# KiCad board mk_keeb.kicad_pcb (continued)
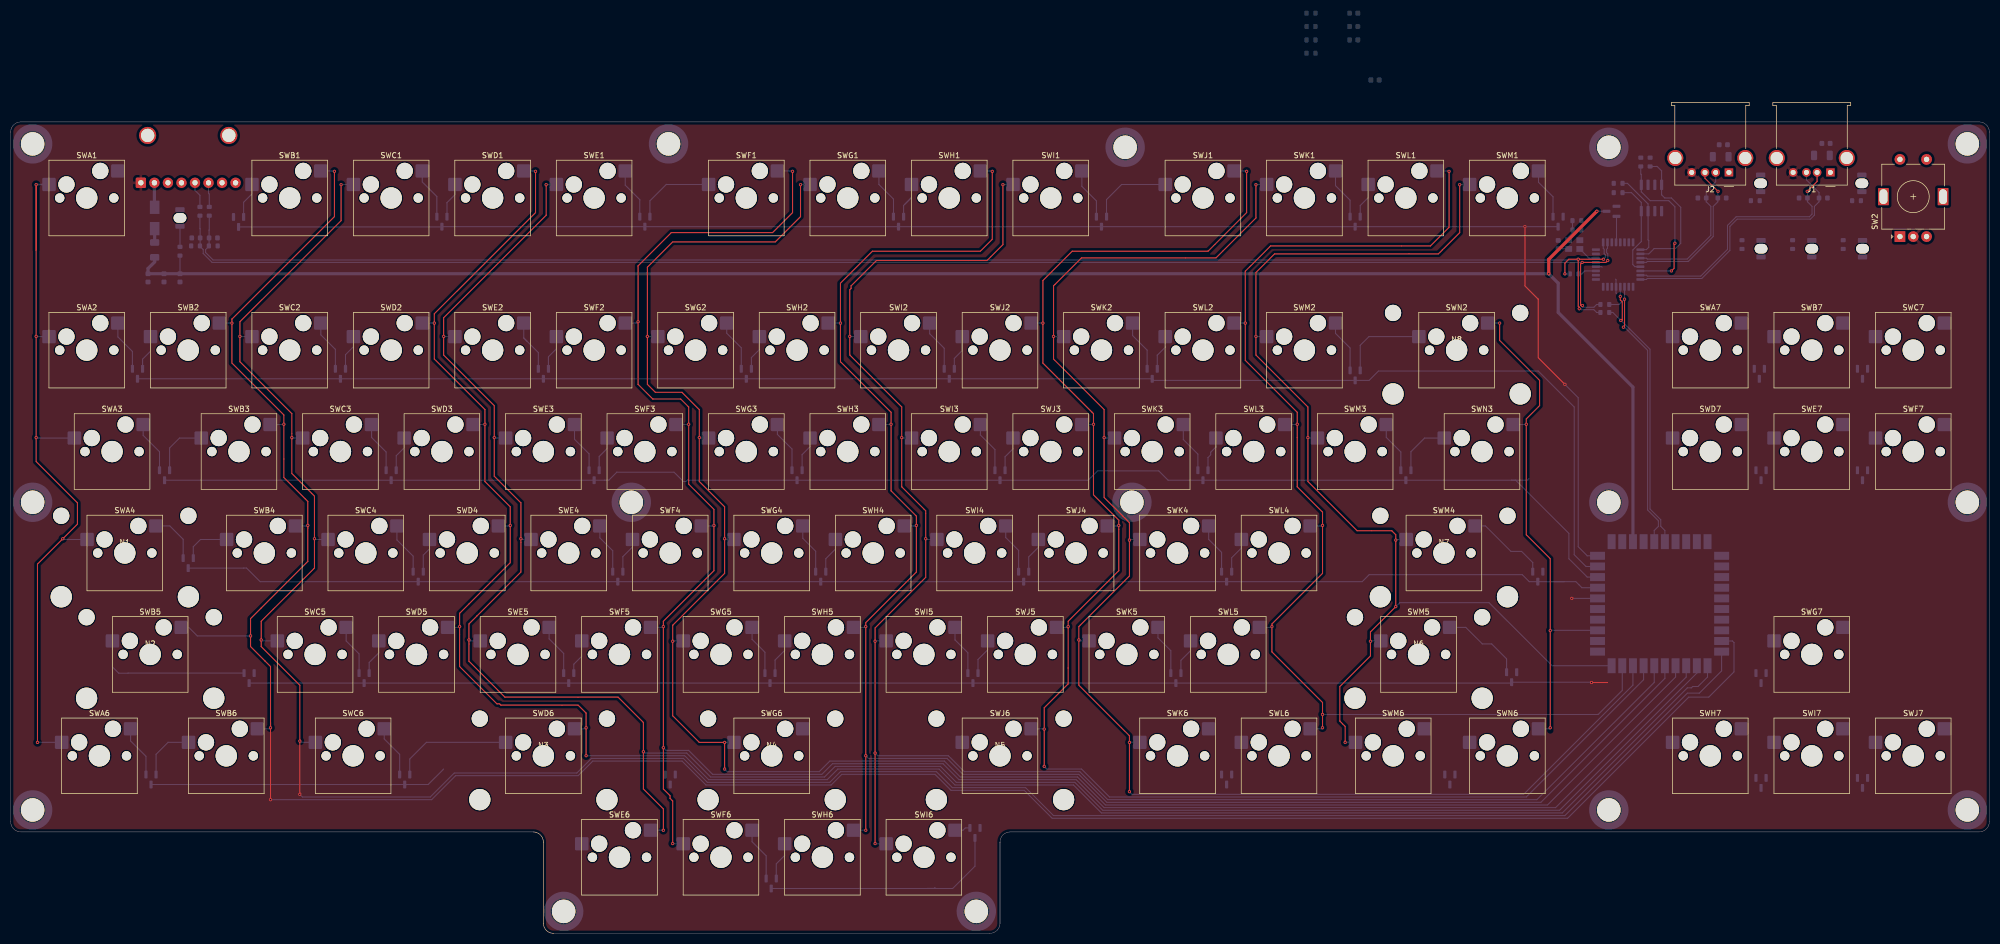
[diagram p0: board, top side]
## Footprints (pads in the part's own frame, mm; a bottom-side part is the same pattern mirrored in y, then rotated) (continued)
SW_Hotswap_Kailh_MX_2.75u
  round 1.75 hole 1.75 unplated: (-5.08,0) (5.08,0)
  round 3.05 hole 3.05 unplated: (-3.81,2.54) (2.54,5.08)
  round 4 hole 4 unplated: (0,0)
  rrect 2.55x2.5 smd far side: 1(-7.085,2.54) 2(5.842,5.08)
USB_A_Molex_67643_Horizontal
  rect 1.6x1.5 hole 0.95: 1(0,0)
  round 1.6 hole 0.95: 2(2.5,0) 3(4.5,0) 4(7,0)
  round 3 hole 2.3: 5(-3.07,-2.71) 5(10.07,-2.71)

## Nets
+3V3: C9.1 C11.1 C12.1 R1.1 R12.2 R13.2 R14.1 U4.34 U6.3 U6.25 U6.31 X1.4
+5V: C5.1 C6.1 C7.1 C8.1 C10.1 F4.2 R8.1 R9.1 R10.1 R11.1 R18.2 U1.2 U4.33 U5.3
GND: A1.1 C1.2 C2.2 C3.2 C4.2 C5.2 C6.2 C7.2 C8.2 C9.2 C10.2 C11.2 C12.2 D49.1 D51.1 D53.1 D54.1 D55.1 D56.1 D57.1 D58.1 D59.1 D60.1 D61.1 D62.1 J1.4 J2.4 R2.2 R6.2 R7.2 R15.1 SW2.C U1.1 U4.31 U5.1 U6.7 U6.8 U6.21 U6.23 U6.24 U6.28 X1.2
/Keys/COLA: SWA1.1 SWA2.1 SWA3.1 SWA4.1 SWA6.1 SWA7.1 U4.8
/Keys/COLB: SWB1.2 SWB2.2 SWB3.2 SWB4.2 SWB5.2 SWB6.2 SWB7.2 U4.9
/Keys/COLC: SWC1.1 SWC2.1 SWC3.1 SWC4.1 SWC5.1 SWC6.1 SWC7.2 U4.10
/Keys/COLD: SWD1.2 SWD2.2 SWD3.2 SWD4.2 SWD5.2 SWD6.2 SWD7.1 U4.11
/Keys/COLE: SWE1.1 SWE2.1 SWE3.1 SWE4.1 SWE5.1 SWE6.2 SWE7.2 U4.12
/Keys/COLF: SWF1.2 SWF2.2 SWF3.2 SWF4.2 SWF5.2 SWF6.1 SWF7.2 U4.13
/Keys/COLG: SWG1.1 SWG2.1 SWG3.1 SWG4.1 SWG5.1 SWG6.1 SWG7.2 U4.14
/Keys/COLH: SWH1.2 SWH2.2 SWH3.2 SWH4.2 SWH5.2 SWH6.2 SWH7.1 U4.15
/Keys/COLI: SWI1.1 SWI2.1 SWI3.1 SWI4.1 SWI5.1 SWI6.1 SWI7.2 U4.16
/Keys/COLJ: SWJ1.2 SWJ2.2 SWJ3.2 SWJ4.2 SWJ5.2 SWJ6.2 SWJ7.1 U4.17
/Keys/COLK: SWK1.1 SWK2.1 SWK3.1 SWK4.1 SWK5.1 SWK6.1 U4.18
/Keys/COLL: SWL1.2 SWL2.2 SWL3.2 SWL4.2 SWL5.2 SWL6.2 U4.19
/Keys/COLM: SWM1.1 SWM2.1 SWM3.1 SWM4.1 SWM5.1 SWM6.1 U4.20
/Keys/COLN: SW2.S1 SWN2.2 SWN3.2 SWN6.2 U4.23
/Keys/COLO: U4.2
/Keys/COLP: U4.3
/Keys/ENC1_A: U4.21
/Keys/ENC1_B: U4.22
/Keys/ENC1_SW: D5.2
/Keys/ENC2_A: SW2.A
/Keys/ENC2_B: SW2.B
/Keys/KEEB_USB_D+: R17.1 U4.36 U6.20
/Keys/KEEB_USB_D-: R16.1 U4.35 U6.19
/Keys/ROW0: D1.3 D7.3 D13.3 D19.3 D25.3 D31.3 D47.3 U4.30
/Keys/ROW1: D2.3 D8.3 D14.3 D20.3 D26.3 D32.3 D38.3 U4.29
/Keys/ROW2: D3.3 D9.3 D15.3 D21.3 D27.3 D33.3 D39.3 U4.28
/Keys/ROW3: D4.3 D10.3 D16.3 D22.3 D28.3 D34.3 D40.3 U4.27
/Keys/ROW4: D5.3 D11.3 D17.3 D23.3 D29.3 D35.3 D37.3 U4.26
/Keys/ROW5: D6.3 D12.3 D18.3 D24.3 D30.3 D36.3 D42.3 U4.25
/Keys/ROW6: D41.3 D43.3 D44.3 D45.3 D46.3 D48.3 D50.3 U4.1
/USB/nRESET: U5.2 U6.4
/USB/PORT1_D+: D53.2 J2.3 U6.12
/USB/PORT1_D-: D54.2 J2.2 U6.11
/USB/PORT1_VBUS: C2.1 C4.1 J2.1 R19.2 U1.7
/USB/PORT2_D+: D49.2 J1.3 U6.16
/USB/PORT2_D-: D51.2 J1.2 U6.15
/USB/PORT2_VBUS: C1.1 C3.1 J1.1 R20.2 U1.6
/USB/USBIN_D+: D55.2 R3.1 R4.2 R7.1 R17.2 U6.1
/USB/USBIN_D-: D56.2 R5.1 R6.1 R16.2 U6.2
Net-(A1-D+): A1.6 R4.1
Net-(A1-D-): A1.5 R5.2
Net-(A1-VBUS): A1.2 D52.2
Net-(D1-A-Pad1): D1.1 SWA1.2
Net-(D1-A-Pad2): D1.2 SWB1.1
Net-(D2-A-Pad1): D2.1 SWA2.2
Net-(D2-A-Pad2): D2.2 SWB2.1
Net-(D3-A-Pad1): D3.1 SWA3.2
Net-(D3-A-Pad2): D3.2 SWB3.1
Net-(D4-A-Pad1): D4.1 SWA4.2
Net-(D4-A-Pad2): D4.2 SWB4.1
Net-(D5-A-Pad1): D5.1 SWB5.1
Net-(D6-A-Pad1): D6.1 SWA6.2
Net-(D6-A-Pad2): D6.2 SWB6.1
Net-(D7-A-Pad1): D7.1 SWC1.2
Net-(D7-A-Pad2): D7.2 SWD1.1
Net-(D8-A-Pad1): D8.1 SWC2.2
Net-(D8-A-Pad2): D8.2 SWD2.1
Net-(D9-A-Pad1): D9.1 SWC3.2
Net-(D9-A-Pad2): D9.2 SWD3.1
Net-(D10-A-Pad1): D10.1 SWC4.2
Net-(D10-A-Pad2): D10.2 SWD4.1
Net-(D11-A-Pad1): D11.1 SWC5.2
Net-(D11-A-Pad2): D11.2 SWD5.1
Net-(D12-A-Pad1): D12.1 SWC6.2
Net-(D12-A-Pad2): D12.2 SWD6.1
Net-(D13-A-Pad1): D13.1 SWE1.2
Net-(D13-A-Pad2): D13.2 SWF1.1
Net-(D14-A-Pad1): D14.1 SWE2.2
Net-(D14-A-Pad2): D14.2 SWF2.1
Net-(D15-A-Pad1): D15.1 SWE3.2
Net-(D15-A-Pad2): D15.2 SWF3.1
Net-(D16-A-Pad1): D16.1 SWE4.2
Net-(D16-A-Pad2): D16.2 SWF4.1
Net-(D17-A-Pad1): D17.1 SWE5.2
Net-(D17-A-Pad2): D17.2 SWF5.1
Net-(D18-A-Pad1): D18.1 SWE6.1
Net-(D18-A-Pad2): D18.2 SWG6.2
Net-(D19-A-Pad1): D19.1 SWG1.2
Net-(D19-A-Pad2): D19.2 SWH1.1
Net-(D20-A-Pad1): D20.1 SWG2.2
Net-(D20-A-Pad2): D20.2 SWH2.1
Net-(D21-A-Pad1): D21.1 SWG3.2
Net-(D21-A-Pad2): D21.2 SWH3.1
Net-(D22-A-Pad1): D22.1 SWG4.2
Net-(D22-A-Pad2): D22.2 SWH4.1
Net-(D23-A-Pad1): D23.1 SWG5.2
Net-(D23-A-Pad2): D23.2 SWH5.1
Net-(D24-A-Pad1): D24.1 SWF6.2
Net-(D24-A-Pad2): D24.2 SWH6.1
Net-(D25-A-Pad1): D25.1 SWI1.2
Net-(D25-A-Pad2): D25.2 SWJ1.1
Net-(D26-A-Pad1): D26.1 SWI2.2
Net-(D26-A-Pad2): D26.2 SWJ2.1
Net-(D27-A-Pad1): D27.1 SWI3.2
Net-(D27-A-Pad2): D27.2 SWJ3.1
Net-(D28-A-Pad1): D28.1 SWI4.2
Net-(D28-A-Pad2): D28.2 SWJ4.1
Net-(D29-A-Pad1): D29.1 SWI5.2
Net-(D29-A-Pad2): D29.2 SWJ5.1
Net-(D30-A-Pad1): D30.1 SWI6.2
Net-(D30-A-Pad2): D30.2 SWJ6.1
Net-(D31-A-Pad1): D31.1 SWK1.2
Net-(D31-A-Pad2): D31.2 SWL1.1
Net-(D32-A-Pad1): D32.1 SWK2.2
Net-(D32-A-Pad2): D32.2 SWL2.1
Net-(D33-A-Pad1): D33.1 SWK3.2
Net-(D33-A-Pad2): D33.2 SWL3.1
Net-(D34-A-Pad1): D34.1 SWK4.2
Net-(D34-A-Pad2): D34.2 SWL4.1
Net-(D35-A-Pad1): D35.1 SWK5.2
Net-(D35-A-Pad2): D35.2 SWL5.1
Net-(D36-A-Pad1): D36.1 SWK6.2
Net-(D36-A-Pad2): D36.2 SWL6.1
Net-(D37-A-Pad1): D37.1 SWM5.2
Net-(D38-A-Pad1): D38.1 SWM2.2
Net-(D38-A-Pad2): D38.2 SWN2.1
Net-(D39-A-Pad1): D39.1 SWM3.2
Net-(D39-A-Pad2): D39.2 SWN3.1
Net-(D40-A-Pad1): D40.1 SWM4.2
Net-(D41-A-Pad1): D41.1 SWA7.2
Net-(D41-A-Pad2): D41.2 SWB7.1
Net-(D42-A-Pad1): D42.1 SWM6.2
Net-(D42-A-Pad2): D42.2 SWN6.1
Net-(D43-A-Pad1): D43.1 SWD7.2
Net-(D43-A-Pad2): D43.2 SWE7.1
Net-(D44-A-Pad2): D44.2 SWG7.1
Net-(D45-A-Pad2): D45.2 SWC7.1
Net-(D46-A-Pad2): D46.2 SWF7.1
Net-(D47-A-Pad1): D47.1 SWM1.2
Net-(D47-A-Pad2): D47.2 SW2.S2
Net-(D48-A-Pad1): D48.1 SWH7.2
Net-(D48-A-Pad2): D48.2 SWI7.1
Net-(D50-A-Pad2): D50.2 SWJ7.2
Net-(D52-K): D52.1 F4.1
Net-(D57-A): D57.2 R18.1
Net-(D58-A): D58.2 R19.1
Net-(D59-A): D59.2 R20.1
Net-(D60-A): D60.2 R21.1
Net-(D61-A): D61.2 R22.1
Net-(D62-A): D62.2 R23.1
Net-(U1-~{EN1}): R10.2 U1.3 U6.9
Net-(U1-~{EN2}): R11.2 U1.4 U6.13
Net-(U1-~{OC1}): R8.2 U1.8 U6.10
Net-(U1-~{OC2}): R9.2 U1.5 U6.14
Net-(U6-DP0PUR): R3.2 U6.27
Net-(U6-EEDATA/~{GANGED}): R14.2 R15.2 U6.6
Net-(U6-NPINT0): R13.1 U6.22
Net-(U6-XTAL1/CLK48): U6.30 X1.3
Net-(U6-~{EXTMEM}): R12.1 U6.26
Net-(X1-EN): R1.2 R2.1 X1.1

Pads without a net: A1 3 4 7 8 P$1; D37 2; D40 2; D44 1; D45 1; D46 1; D50 1; H1 1; H2 1; H3 1; H4 1; H5 1; H6 1; H7 1; H8 1; H9 1; H10 1; H11 1; H12 1; H13 1; H14 1; H15 1; J1 5; J2 5; R21 2; R22 2; R23 2; SW2 MP; U4 4 5 6 7 24 32 37 38 39 40; U6 5 17 18 29 32

## Via types
v1: diameter 0.6, hole 0.3, Top to Bottom, 114 vias

## Routing (per net, layer and track width the routed paths; a pad name or vN(x,y) marks a point on that pad's centre or on a via; arc(x,y) is an arc through that point)
+3V3: length 2
  Bottom w0.2: C9.1 292.44,128.59 X1.4
+5V: length 350.1
  Top w0.6: v1(297.79,135.61) 288.76,126.59 v1(288.76,123.89)
  Bottom w0.2: 25.79,123.89 31.79,123.89 R18.2 ; U5.3 v1(297.79,135.61)
  Bottom w0.6: U4.33 304.56,102.59 290.54,116.61 290.54,122.11 v1(288.76,123.89) 25.79,123.89 25.79,124.86 27.04,126.11 F4.2
GND: length 4.1
  Bottom w0.2: 301.29,122.86 301.39,122.76 U6.21 301.39,120.26 301.54,120.11 ; 298.79,125.11 298.69,125.21 U6.28
/Keys/COLA: length 132.3
  Top w0.2: v1(5.04,35.86) 5.04,69.36 v1(9.79,74.11) 12.54,76.86 12.54,80.86 4.79,88.61 v1(4.79,93.11) v1(4.79,112.11) 4.79,128.36
  Top w0.3: v1(4.79,140.61) 4.79,128.36
  Bottom w0.2: SWA3.1 4.87,93.03 v1(4.79,93.11) ; v1(4.79,112.11) 4.82,112.08 7.2,112.08 ; v1(9.79,74.11) 9.92,73.98 14.35,73.98 ; v1(5.04,35.86) 5.05,35.88 SWA6.1
  Bottom w0.3: 7.2,140.65 4.83,140.65 v1(4.79,140.61)
/Keys/COLB: length 468.2
  Top w0.2: v1(60.79,143.11) 60.79,134.61 41.54,115.36 v1(41.54,114.61) 41.54,107.11 51.29,97.36 v1(51.29,95.61) 51.29,85.61 55.79,81.11 v1(55.79,76.61) 55.79,69.86 45.04,59.11 v1(45.04,55.86) 45.04,53.86 48.79,50.11 48.79,39.61 ; 48.79,39.61 v1(48.79,25.11) ; 48.79,39.61 v1(48.79,38.61)
  Bottom w0.2: v1(45.04,55.86) 35.04,55.86 33.43,57.47 SWB5.2 ; v1(41.54,114.61) 41.53,114.62 SWB2.2 ; SWB3.2 51.24,95.57 v1(51.29,95.61) ; v1(55.79,76.61) 55.69,76.52 SWB4.2 ; v1(60.79,143.11) 60.71,143.19 SWB1.2 ; v1(48.79,25.11) 79.04,25.11 83.54,29.61 106.54,29.61 109.29,32.36 126.04,32.36 130.54,27.86 154.04,27.86 156.04,29.86 173.54,29.86 176.54,26.86 190.29,26.86 195.54,21.61 292.29,21.61 315.04,44.36 318.79,44.36 323.54,49.11 323.54,54.61 323.24,54.91 U4.9 ; v1(48.79,38.61) 48.59,38.42 46.32,38.42
/Keys/COLC: length 441.9
  Top w0.2: v1(62.04,140.61) 62.04,133.86 43.04,114.86 v1(43.04,112.11) 43.04,107.36 52.79,97.61 v1(52.79,93.11) 52.79,86.36 57.04,82.11 v1(57.04,74.11) 57.04,68.61 47.04,58.61 v1(47.04,55.11) 47.04,53.86 54.29,46.61 v1(54.29,36.11) v1(54.29,26.11)
  Bottom w0.2: SWC6.1 54.52,35.88 v1(54.29,36.11) ; U4.10 321.21,49.29 317.04,45.11 314.79,45.11 291.79,22.11 195.79,22.11 190.54,27.36 176.79,27.36 173.79,30.36 155.79,30.36 153.79,28.36 130.79,28.36 126.29,32.86 109.04,32.86 106.29,30.11 83.29,30.11 78.79,25.61 54.79,25.61 v1(54.29,26.11) ; SWC5.1 47.22,54.93 v1(47.04,55.11) ; v1(57.04,74.11) 57.17,73.98 59.59,73.98 ; v1(52.79,93.11) 52.87,93.03 SWC3.1 ; SWC2.1 43.07,112.08 v1(43.04,112.11) ; 64.35,140.65 62.08,140.65 v1(62.04,140.61)
/Keys/COLD: length 389
  Top w0.2: v1(98.54,143.11) 98.54,135.36 79.54,116.36 v1(79.54,114.61) 79.54,107.86 89.04,98.36 v1(89.04,95.61) 89.04,84.86 93.79,80.11 v1(93.79,76.61) 93.79,69.61 84.29,60.11 v1(84.29,57.61) 84.29,50.11 91.29,43.11 91.79,43.11 92.04,42.86 106.54,42.86 108.04,41.36 v1(108.04,38.61) v1(108.04,33.36)
  Bottom w0.2: v1(89.04,95.61) 88.99,95.57 SWD3.2 ; v1(108.04,33.36) 126.54,33.36 131.04,28.86 153.29,28.86 155.29,30.86 174.29,30.86 177.29,27.86 199.54,27.86 204.79,22.61 291.29,22.61 314.79,46.11 315.54,46.11 315.79,46.36 316.79,46.36 318.56,48.14 U4.11 ; SWD4.2 93.69,76.52 v1(93.79,76.61) ; v1(108.04,38.61) 107.84,38.42 105.85,38.42 ; v1(79.54,114.61) 79.53,114.62 SWD2.2 ; v1(84.29,57.61) 84.14,57.47 SWD5.2 ; SWD1.2 98.46,143.19 v1(98.54,143.11)
/Keys/COLE: length 395.7
  Top w0.2: v1(100.54,140.61) 100.54,134.86 81.29,115.61 v1(81.29,112.11) 81.29,108.61 90.79,99.11 v1(90.79,93.11) 90.79,85.86 95.79,80.86 v1(95.79,74.11) 95.79,67.86 86.04,58.11 v1(86.04,55.11) 86.04,51.11 92.79,44.36 114.04,44.36 118.79,39.61 118.79,27.11 122.54,23.36 v1(122.54,19.36)
  Bottom w0.2: v1(122.54,19.36) 121.79,19.36 121.78,19.37 SWE6.2 ; SWE2.1 81.32,112.08 v1(81.29,112.11) ; v1(118.79,34.11) 119.04,33.86 126.91,33.86 131.41,29.36 152.79,29.36 154.79,31.36 174.54,31.36 177.54,28.36 199.79,28.36 205.04,23.11 290.79,23.11 316.56,48.89 U4.12 ; v1(95.79,74.11) 95.92,73.98 97.69,73.98 ; SWE1.1 100.58,140.65 v1(100.54,140.61) ; SWE3.1 90.87,93.03 v1(90.79,93.11) ; v1(86.04,55.11) 86.22,54.93 SWE5.1
/Keys/COLF: length 388.3
  Top w0.2: v1(146.79,143.11) 146.79,135.36 143.04,131.61 124.04,131.61 117.79,125.36 v1(117.79,114.86) 117.79,103.11 120.54,100.36 125.79,100.36 127.29,98.86 v1(127.29,95.61) 127.29,84.36 132.04,79.61 v1(132.04,76.61) 132.04,68.11 122.54,58.61 v1(122.54,57.61) v1(122.54,34.86) 122.54,27.11 123.79,25.86 123.79,25.36 124.29,24.86 v1(124.29,16.86)
  Bottom w0.2: v1(117.79,114.86) 117.54,114.62 SWF2.2 ; SWF1.2 146.71,143.19 v1(146.79,143.11) ; SWF5.2 122.39,57.47 v1(122.54,57.61) ; U4.13 314.56,48.14 290.04,23.61 205.29,23.61 200.04,28.86 178.04,28.86 175.04,31.86 154.29,31.86 152.29,29.86 131.79,29.86 127.29,34.36 123.04,34.36 v1(122.54,34.86) ; v1(127.29,95.61) 127.24,95.57 SWF3.2 ; v1(124.29,16.86) 124.32,16.83 SWF6.1 ; SWF4.2 131.94,76.52 v1(132.04,76.61)
/Keys/COLG: length 358.9
  Top w0.2: v1(134.04,30.86) v1(134.04,35.86) 129.29,35.86 124.29,40.86 v1(124.29,54.86) 124.29,57.86 134.04,67.61 v1(134.04,74.11) 134.04,80.11 129.29,84.86 v1(129.29,93.11) 129.29,98.36 126.04,101.61 121.04,101.61 119.54,103.11 v1(119.54,112.11) 119.54,125.11 124.29,129.86 143.54,129.86 148.29,134.61 v1(148.29,140.61)
  Bottom w0.2: U4.14 312.56,48.14 288.54,24.11 205.54,24.11 200.29,29.36 178.29,29.36 175.29,32.36 153.79,32.36 151.79,30.36 134.54,30.36 v1(134.04,30.86) ; v1(119.54,112.11) 119.57,112.08 SWG2.1 ; SWG1.1 148.33,140.65 v1(148.29,140.61) ; SWG6.1 134.05,35.88 v1(134.04,35.86) ; v1(134.04,74.11) 134.17,73.98 135.79,73.98 ; SWG3.1 129.37,93.03 v1(129.29,93.11) ; v1(124.29,54.86) 124.35,54.93 SWG5.1
/Keys/COLH: length 336.8
  Top w0.2: v1(184.29,143.11) 184.29,130.36 182.04,128.11 161.79,128.11 155.79,122.11 v1(155.79,114.61) 155.79,107.36 165.29,97.86 v1(165.29,95.61) 165.29,83.11 170.04,78.36 v1(170.04,76.61) 170.04,67.86 160.54,58.36 v1(160.54,57.61) v1(160.54,19.36)
  Bottom w0.2: v1(160.54,33.36) 161.04,32.86 175.79,32.86 178.79,29.86 200.54,29.86 205.79,24.61 287.29,24.61 310.56,47.89 U4.15 ; v1(160.54,19.36) 160.53,19.37 SWH6.2 ; v1(170.04,76.61) 169.94,76.52 SWH4.2 ; v1(184.29,143.11) 184.21,143.19 SWH1.2 ; SWH2.2 155.78,114.62 v1(155.79,114.61) ; SWH5.2 160.39,57.47 v1(160.54,57.61) ; v1(165.29,95.61) 165.24,95.57 163,95.57
/Keys/COLI: length 332
  Top w0.2: v1(162.29,16.86) v1(162.29,33.86) v1(162.29,54.86) 162.29,57.36 171.79,66.86 v1(171.79,74.11) 171.79,79.36 167.29,83.86 v1(167.29,93.11) 167.29,98.86 157.54,108.61 v1(157.54,112.11) 157.54,120.86 157.79,121.11 157.79,121.61 162.54,126.36 183.29,126.36 186.29,129.36 v1(186.29,140.61)
  Bottom w0.2: v1(186.29,140.61) 186.33,140.65 SWI1.1 ; v1(157.54,112.11) 157.57,112.08 159.6,112.08 ; SWI6.1 162.32,16.83 v1(162.29,16.86) ; U4.16 308.56,47.14 286.54,25.11 205.97,25.11 200.72,30.36 179.04,30.36 176.04,33.36 162.79,33.36 v1(162.29,33.86) ; v1(171.79,74.11) 171.92,73.98 173.89,73.98 ; SWI3.1 167.37,93.03 v1(167.29,93.11) ; SWI5.1 162.35,54.93 v1(162.29,54.86)
/Keys/COLJ: length 294.6
  Top w0.2: v1(232.04,143.11) 232.04,135.36 224.79,128.11 199.29,128.11 193.79,122.61 v1(193.79,114.61) 193.79,107.11 203.29,97.61 v1(203.29,95.61) 203.29,82.36 208.04,77.61 v1(208.04,76.61) 208.04,68.11 198.54,58.61 v1(198.54,57.61) 198.54,46.86 194.04,42.36 v1(194.04,38.36) v1(194.04,31.36)
  Bottom w0.2: 201.1,95.57 203.24,95.57 v1(203.29,95.61) ; v1(193.79,114.61) 193.78,114.62 SWJ2.2 ; SWJ1.2 231.96,143.19 v1(232.04,143.11) ; SWJ4.2 207.94,76.52 v1(208.04,76.61) ; v1(194.04,38.36) 193.98,38.42 191.58,38.42 ; v1(198.54,57.61) 198.39,57.47 SWJ5.2 ; v1(194.04,31.36) 194.54,30.86 201.04,30.86 206.29,25.61 284.54,25.61 306.56,47.64 U4.17
/Keys/COLK: length 277.6
  Top w0.2: v1(233.79,140.61) 233.79,134.36 226.29,126.86 201.04,126.86 195.79,121.61 v1(195.79,112.11) 195.79,107.86 205.29,98.36 v1(205.29,93.11) 205.29,81.86 210.04,77.11 v1(210.04,73.86) 210.04,74.11 210.04,67.11 200.54,57.61 v1(200.54,55.11) 200.54,46.61 210.04,37.11 v1(210.04,35.86) v1(210.04,26.61)
  Bottom w0.2: U4.18 304.56,46.64 284.04,26.11 210.54,26.11 v1(210.04,26.61) ; v1(200.54,55.11) 200.72,54.93 SWK5.1 ; v1(205.29,93.11) 205.37,93.03 SWK3.1 ; v1(210.04,73.86) 210.15,73.98 211.99,73.98 ; v1(195.79,112.11) 195.82,112.08 SWK2.1 ; v1(210.04,35.86) 210.05,35.88 SWK6.1 ; v1(233.79,140.61) 233.83,140.65 SWK1.1
/Keys/COLL: length 228.5
  Top w0.2: v1(246.29,38.61) v1(246.29,41.11) 246.29,43.36 236.79,52.86 v1(236.79,57.61) 236.79,58.11 246.29,67.61 v1(246.29,76.61) 246.29,79.11 241.54,83.86 v1(241.54,95.61) 241.54,97.86 231.79,107.61 v1(231.79,114.61) 231.79,124.36 236.54,129.11 266.54,129.11 270.04,132.61 v1(270.04,143.11)
  Bottom w0.2: v1(231.79,114.61) 231.78,114.62 SWL2.2 ; SWL3.2 241.49,95.57 v1(241.54,95.61) ; U4.19 302.56,45.64 298.04,41.11 v1(246.29,41.11) ; v1(246.29,38.61) 246.09,38.42 243.97,38.42 ; SWL1.2 269.96,143.19 v1(270.04,143.11) ; SWL4.2 246.19,76.52 v1(246.29,76.61) ; v1(236.79,57.61) 236.64,57.47 SWL5.2
/Keys/COLM: length 215.5
  Top w0.2: v1(272.04,140.61) 272.04,131.61 268.04,127.61 237.29,127.61 233.79,124.11 v1(233.79,112.11) 233.79,108.61 243.54,98.86 v1(243.54,93.11) 243.54,84.86 252.79,75.61 259.29,75.61 260.04,74.86 v1(260.04,73.86) v1(260.04,61.36) 255.29,56.61 v1(255.29,54.86) 255.29,52.11 249.54,46.36 249.54,39.86 250.54,38.86 v1(250.54,35.86)
  Bottom w0.2: v1(260.04,61.36) 260.79,62.11 277.54,62.11 289.39,50.26 U4.20 ; 262,73.98 260.15,73.98 v1(260.04,73.86) ; v1(233.79,112.11) 233.82,112.08 SWM2.1 ; v1(255.29,54.86) 255.35,54.93 SWM5.1 ; SWM1.1 272.08,140.65 v1(272.04,140.61) ; v1(250.54,35.86) 250.55,35.88 SWM6.1 ; v1(243.54,93.11) 243.62,93.03 SWM3.1
/Keys/COLN: length 97.9
  Top w0.2: v1(289.04,38.61) v1(289.04,56.86) 289.04,70.36 284.54,74.86 v1(284.54,95.61) 284.54,96.61 287.04,99.11 287.04,103.86 279.54,111.36 v1(279.54,114.61)
  Bottom w0.2: v1(289.04,56.86) 289.09,56.91 U4.23 ; v1(289.04,38.61) 288.84,38.42 286.83,38.42 ; v1(279.54,114.61) 279.53,114.62 SWN2.2 ; v1(284.54,95.61) 284.49,95.57 SWN3.2
/Keys/KEEB_USB_D+: length 54.5
  Top w0.2: v1(302.19,119.61) 302.19,118.96 302.56,118.59 302.56,115.22 302.45,115.11 v1(302.29,115.11)
  Bottom w0.2: v1(302.19,119.61) U6.20 ; U4.36 310.56,75.66 309.79,76.44 309.79,77.68 307.76,79.71 307.76,109.71 302.36,115.11 v1(302.29,115.11) 300.79,116.61 R17.1
/Keys/KEEB_USB_D-: length 54.4
  Top w0.2: v1(302.77,113.85) 302.99,114.06 v1(302.99,119.11)
  Bottom w0.2: R16.1 301.99,118.11 v1(302.99,119.11) U6.19 ; v1(302.77,113.85) 302.98,113.85 307.31,109.52 307.31,79.52 309.34,77.49 309.34,76.44 308.56,75.66 U4.35
/Keys/ROW0: length 316.3
  Top w0.2: v1(291.79,103.11) 286.79,108.11 286.79,119.11 284.29,121.61 v1(284.29,132.73)
  Bottom w0.2: D1.3 80.91,132.68 D7.3 D13.3 D19.3 D25.3 D31.3 D47.3 ; v1(291.79,103.11) 294.29,100.61 294.29,72.61 295.99,70.91 U4.30
/Keys/ROW1: length 306.4
  Bottom w0.2: D2.3 D8.3 D14.3 D20.3 D26.3 D32.3 214.62,103.85 D38.3 255.03,103.85 256.79,105.61 286.79,105.61 293.54,98.86 293.54,71.11 295.74,68.91 U4.29
/Keys/ROW2: length 285.6
  Bottom w0.2: D3.3 D9.3 D15.3 111.53,85.1 111.54,85.11 112.29,85.11 113.79,86.61 124.54,86.61 126.29,84.86 126.79,84.86 127.03,85.1 D21.3 D27.3 202.28,85.1 204.04,86.86 215.54,86.86 217.3,85.1 D33.3 D39.3 281.79,85.1 ; 281.79,85.1 282.55,85.1 292.54,75.11 292.54,70.36 295.99,66.91 U4.28 ; 281.79,85.1 284.78,85.1 285.04,85.36
/Keys/ROW3: length 269.6
  Bottom w0.2: 289.29,66.05 D40.3 285.1,66.05 283.79,67.36 255.04,67.36 253.73,66.05 D34.3 D28.3 D22.3 D16.3 D10.3 46.84,66.05 44.29,68.61 43.79,68.61 43.77,68.59 D4.3 ; 289.29,66.05 291.73,66.05 ; 289.29,66.05 293.85,66.05 294.99,64.91 U4.27
/Keys/ROW4: length 259.9
  Top w0.2: v1(296.79,47.11) 299.79,47.11
  Bottom w0.2: v1(296.79,47.11) 296.73,47.17 D37.3 281.62,47 D35.3 D29.3 D23.3 D17.3 D11.3 D5.3 ; U4.26 v1(293.09,62.91)
/Keys/ROW5: length 103
  Bottom w0.2: 172.04,8.42 176.85,8.42 181.04,12.61 D30.3 ; 172.04,8.42 173.35,8.42 173.54,8.61 ; 172.04,8.42 D24.3 ; 81.29,30.86 78.38,27.95 D12.3 D6.3
/USB/nRESET: length 4.9
  Bottom w0.2: U6.4 301.48,129.88 U5.2
/USB/PORT1_D+: length 29.1
  Top w0.2: J2.3 318.09,141.81 v1(320.54,139.36)
  Bottom w0.2: U6.12 307.09,126.01 307.26,126.19 314.93,126.19 319.64,130.89 319.64,136.54 320.5,137.4 D53.2 320.5,139.32 v1(320.54,139.36)
/USB/PORT1_D-: length 28.1
  Bottom w0.2: J2.2 320.09,141.16 318.32,139.4 D54.2 318.32,137.4 319.19,136.54 319.19,131.08 314.74,126.64 307.26,126.64 307.09,126.81 U6.11
/USB/PORT2_D+: length 49.7
  Bottom w0.2: J1.3 337.14,141.51 339.5,139.15 D49.2 339.5,137.4 338.64,136.54 338.64,134.89 337.88,134.14 324.13,134.14 322.76,132.77 322.76,128.27 317.48,122.99 307.26,122.99 307.09,122.81 U6.16
/USB/PORT2_D-: length 48.7
  Top w0.2: v1(337.29,139.36) 339.14,141.21 J1.2
  Bottom w0.2: v1(337.29,139.36) 337.32,139.32 D51.2 337.32,137.4 338.19,136.54 338.19,135.08 337.69,134.59 323.94,134.59 322.31,132.96 322.31,128.46 317.29,123.44 307.26,123.44 307.09,123.61 U6.15
/USB/USBIN_D+: length 293.2
  Top w0.2: v1(291.79,123.86) 291.79,125.86 292.54,126.61 v1(294.29,126.61) ; v1(294.49,117.31) 294.49,117.59 294.29,117.79 v1(294.29,126.61) ; v1(294.29,126.61) v1(299.04,126.61)
  Bottom w0.2: v1(299.04,126.61) 299.39,126.96 299.39,127.44 299.16,127.67 299.16,128.49 298.99,128.66 U6.1 ; R4.2 37.29,132.11 37.25,132.07 D55.2 37.25,129.15 R7.1 37.21,129.04 36.6,128.43 36.6,127.87 38.01,126.46 294.14,126.46 v1(294.29,126.61) ; R17.2 297.75,116.61 297.22,117.14 294.94,117.14 294.77,117.31 v1(294.49,117.31) ; R3.1 v1(291.79,123.86)
/USB/USBIN_D-: length 287.9
  Top w0.2: v1(295.09,117.91) 294.81,117.91 294.74,117.98 294.74,125.71 v1(295.04,126.01) 299.49,126.01 v1(299.84,126.36)
  Bottom w0.2: U6.2 299.79,128.66 299.61,128.49 299.61,127.86 299.84,127.63 v1(299.84,126.36) ; v1(295.09,117.91) 295.09,117.63 295.13,117.59 297.22,117.59 297.75,118.11 R16.2 ; v1(295.04,126.01) 37.82,126.01 36.15,127.68 36.15,128.43 35.54,129.04 R6.1 35.58,129.15 D56.2 35.58,132.32 35.54,132.36 R5.1
Net-(A1-D+): length 4.6
  Bottom w0.2: A1.6 37.15,139 37.29,138.86 37.29,136.44
Net-(A1-D-): length 4.9
  Bottom w0.2: A1.5 34.61,139.54 35.54,138.61 35.54,136.44
Net-(A1-VBUS): length 4.6
  Bottom w0.6: A1.2 26.99,136.41 D52.2
Net-(D1-A-Pad2): length 6.8
  Bottom w0.2: SWB1.1 45.3,138.88 43.74,137.31 D1.2
Net-(D2-A-Pad1): length 9.7
  Bottom w0.2: D2.1 22.86,109.29 20.13,112.02 SWA2.2
Net-(D2-A-Pad2): length 6.7
  Bottom w0.2: D2.2 24.76,107.84 26.25,109.33 SWB2.1
Net-(D3-A-Pad1): length 9.9
  Bottom w0.2: SWA3.2 24.88,93.52 27.94,90.46 D3.1
Net-(D3-A-Pad2): length 10.9
  Bottom w0.2: D3.2 29.84,91.17 31.7,93.03 SWB3.1
Net-(D4-A-Pad1): length 9.7
  Bottom w0.2: SWA4.2 29.88,76.52 32.39,74.01 D4.1
Net-(D4-A-Pad2): length 9
  Bottom w0.2: D4.2 34.29,72.61 35.65,73.98 40.54,73.98
Net-(D5-A-Pad1): length 30.1
  Bottom w0.2: SWB5.1 19.11,50.04 20.29,48.86 22.04,48.86 22.05,48.88 D5.1
Net-(D6-A-Pad1): length 9.8
  Bottom w0.2: D6.1 25.4,33.25 22.51,36.14 22.51,38.42
Net-(D6-A-Pad2): length 10.8
  Bottom w0.2: D6.2 27.3,33.63 29.55,35.88 SWB6.1
Net-(D7-A-Pad1): length 9.7
  Bottom w0.2: SWC1.2 77.28,141.12 80.01,138.39 D7.1
Net-(D7-A-Pad2): length 6.7
  Bottom w0.2: D7.2 81.91,137.24 83.4,138.73 SWD1.1
Net-(D8-A-Pad1): length 9.7
  Bottom w0.2: D8.1 60.96,109.69 58.23,112.42 SWC2.2
Net-(D8-A-Pad2): length 6.7
  Bottom w0.2: 64.35,112.08 64.35,110.18 62.86,108.69 D8.2
Net-(D9-A-Pad1): length 9.7
  Bottom w0.2: D9.1 70.49,90.41 67.75,93.15 SWC3.2
Net-(D9-A-Pad2): length 6.7
  Bottom w0.2: D9.2 72.39,89.71 73.88,91.2 SWD3.1
Net-(D10-A-Pad1): length 9.9
  Bottom w0.2: D10.1 75.57,70.83 72.52,73.88 SWC4.2
Net-(D10-A-Pad2): length 6.5
  Bottom w0.2: D10.2 77.47,71.04 78.64,72.21 78.64,73.98
Net-(D11-A-Pad1): length 9.6
  Bottom w0.2: SWC5.2 62.99,54.91 65.41,52.49 D11.1
Net-(D11-A-Pad2): length 6.8
  Bottom w0.2: D11.2 67.31,50.88 69.11,52.69 SWD5.1
Net-(D12-A-Pad1): length 9.8
  Bottom w0.2: D12.1 73.03,33.62 70.14,36.51 70.14,38.42
Net-(D12-A-Pad2): length 22.2
  Bottom w0.2: D12.2 74.93,32.75 78.05,35.88 SWD6.1
Net-(D13-A-Pad1): length 9.7
  Bottom w0.2: SWE1.2 115.38,140.52 118.11,137.79 D13.1
Net-(D13-A-Pad2): length 15.3
  Bottom w0.2: D13.2 120.01,137.59 123.08,140.65 SWF1.1
Net-(D14-A-Pad1): length 10.6
  Bottom w0.2: D14.1 99.06,109.09 96.91,111.24 ; 96.91,111.24 96.33,111.82 SWE2.2 ; 96.91,111.24 96.29,111.86
Net-(D14-A-Pad2): length 6.7
  Bottom w0.2: D14.2 100.96,108.29 102.45,109.78 SWF2.1
Net-(D15-A-Pad1): length 9.7
  Bottom w0.2: D15.1 108.59,90.06 105.85,92.8 SWE3.2
Net-(D15-A-Pad2): length 6.7
  Bottom w0.2: D15.2 110.49,89.56 111.98,91.05 SWF3.1
Net-(D16-A-Pad1): length 9.6
  Bottom w0.2: SWE4.2 110.62,74.28 113.03,71.87 113.03,67.93
Net-(D16-A-Pad2): length 6.8
  Bottom w0.2: D16.2 114.93,70.76 116.74,72.56 116.74,73.98
Net-(D17-A-Pad1): length 9.7
  Bottom w0.2: SWE5.2 101.09,55.31 103.82,52.58 D17.1
Net-(D17-A-Pad2): length 6.7
  Bottom w0.2: SWF5.1 107.21,52.04 105.72,50.55 105.72,48.88
Net-(D19-A-Pad1): length 9.7
  Bottom w0.2: 163,143.19 163,140.65 165.74,137.91 D19.1
Net-(D19-A-Pad2): length 8.6
  Bottom w0.2: SWH1.1 169.13,138.2 ; 169.13,138.2 167.64,136.71 D19.2 ; 169.13,138.2 167.79,136.86
Net-(D20-A-Pad1): length 9.7
  Bottom w0.2: D20.1 137.16,109.99 134.43,112.72 SWG2.2
Net-(D20-A-Pad2): length 6.7
  Bottom w0.2: SWH2.1 140.55,109.63 139.06,108.14 D20.2
Net-(D21-A-Pad1): length 9.7
  Bottom w0.2: D21.1 146.69,90.96 143.95,93.7 SWG3.2
Net-(D21-A-Pad2): length 6.7
  Bottom w0.2: SWH3.1 150.08,91.4 148.59,89.91 D21.2
Net-(D22-A-Pad1): length 9.6
  Bottom w0.2: SWG4.2 148.72,74.18 151.13,71.77 D22.1
Net-(D22-A-Pad2): length 6.8
  Bottom w0.2: 154.84,73.98 154.84,72.16 153.03,70.36 D22.2
Net-(D23-A-Pad1): length 9.6
  Bottom w0.2: D23.1 141.61,52.79 139.19,55.21 SWG5.2
Net-(D23-A-Pad2): length 6.8
  Bottom w0.2: D23.2 143.51,51.33 145.31,53.14 SWH5.1
Net-(D24-A-Pad1): length 10.2
  Bottom w0.2: SWF6.2 139.19,17.21 141.84,14.56 D24.1
Net-(D24-A-Pad2): length 7.2
  Bottom w0.2: D24.2 143.74,13.06 145.31,14.64 SWH6.1
Net-(D25-A-Pad1): length 9.7
  Bottom w0.2: D25.1 203.84,137.56 201.1,140.3 201.1,143.19
Net-(D25-A-Pad2): length 15.4
  Bottom w0.2: 216.75,140.65 208.58,140.65 205.74,137.81 D25.2
Net-(D26-A-Pad1): length 9.7
  Bottom w0.2: D26.1 175.26,109.89 172.53,112.62 SWI2.2
Net-(D26-A-Pad2): length 6.7
  Bottom w0.2: 177.16,106.03 177.16,107.99 178.65,109.48 SWJ2.1
Net-(D27-A-Pad1): length 9.7
  Bottom w0.2: D27.1 184.79,90.86 182.05,93.6 SWI3.2
Net-(D27-A-Pad2): length 6.7
  Bottom w0.2: SWJ3.1 188.18,91 186.69,89.51 D27.2
Net-(D28-A-Pad1): length 9.6
  Bottom w0.2: D28.1 189.23,71.92 186.82,74.33 SWI4.2
Net-(D28-A-Pad2): length 6.8
  Bottom w0.2: 192.94,73.98 192.94,72.51 191.13,70.71 D28.2
Net-(D29-A-Pad1): length 9.6
  Bottom w0.2: SWI5.2 177.29,55.11 179.71,52.69 D29.1
Net-(D29-A-Pad2): length 6.8
  Bottom w0.2: D29.2 181.61,51.43 183.41,53.24 SWJ5.1
Net-(D30-A-Pad1): length 3
  Bottom w0.2: D30.1 179.23,19.8 178.79,19.37 SWI6.2
Net-(D31-A-Pad1): length 9.7
  Bottom w0.2: SWK1.2 248.73,140.42 251.46,137.69 D31.1
Net-(D31-A-Pad2): length 6.7
  Bottom w0.2: SWL1.1 254.85,138.18 253.36,136.69 D31.2
Net-(D32-A-Pad1): length 9.7
  Bottom w0.2: D32.1 213.36,109.54 210.63,112.27 SWK2.2
Net-(D32-A-Pad2): length 6.7
  Bottom w0.2: 215.26,106.03 215.26,108.59 216.75,110.08 216.75,112.08
Net-(D33-A-Pad1): length 9.7
  Bottom w0.2: D33.1 222.89,90.01 220.15,92.75 SWK3.2
Net-(D33-A-Pad2): length 6.7
  Bottom w0.2: SWL3.1 226.28,91.35 225.29,90.36 225.29,89.86 224.79,89.36 D33.2
Net-(D34-A-Pad1): length 9.6
  Bottom w0.2: SWK4.2 224.92,73.98 227.33,71.57 D34.1
Net-(D34-A-Pad2): length 6.8
  Bottom w0.2: D34.2 229.23,70.56 231.04,72.36 231.04,73.98
Net-(D35-A-Pad1): length 9.6
  Bottom w0.2: SWK5.2 215.39,55.51 217.81,53.09 D35.1
Net-(D35-A-Pad2): length 6.8
  Bottom w0.2: D35.2 219.71,51.28 221.51,53.09 SWL5.1
Net-(D37-A-Pad1): length 15.6
  Bottom w0.2: D37.1 280.84,51.56 278.04,54.36 276.29,54.36 273.18,57.47 SWM5.2
Net-(D38-A-Pad1): length 10
  Bottom w0.2: D38.1 251.46,109.94 248.73,112.67 SWM2.2
Net-(D38-A-Pad2): length 16.4
  Bottom w0.2: SWN2.1 255,112.08 253.36,110.44 D38.2
Net-(D39-A-Pad1): length 9.7
  Bottom w0.2: D39.1 260.99,90.41 258.25,93.15 SWM3.2
Net-(D39-A-Pad2): length 10.8
  Bottom w0.2: SWN3.1 265.45,93.03 262.89,90.46 D39.2
Net-(D40-A-Pad1): length 15.4
  Bottom w0.2: SWM4.2 276.88,76.52 281.66,71.74 283.66,71.74 285.75,69.65 D40.1
Net-(D47-A-Pad1): length 9.7
  Bottom w0.2: SWM1.2 286.83,141.07 289.56,138.34 D47.1
Net-(D52-K): length 2.6
  Bottom w0.6: D52.1 F4.1
Net-(D57-A): length 3.9
  Bottom w0.2: D57.2 31.79,128.94
Net-(U1-~{EN1}): length 16.3
  Bottom w0.2: R10.2 303.54,140.86 307.4,137 U1.3 307.4,130.25 307.54,130.11 307.54,128.86 307.09,128.41 U6.9
Net-(U1-~{EN2}): length 18.2
  Bottom w0.2: U6.13 304.94,125.21 304.54,125.61 304.54,128.34 306.13,129.94 306.13,137.27 304.29,139.11 R11.2
Net-(U1-~{OC1}): length 26.7
  Bottom w0.2: U6.10 307.54,127.61 308.54,128.61 312.54,128.61 313.54,129.61 313.54,136.36 311.79,138.11 310.54,138.11 309.94,138.71 U1.8 309.94,143.21 309.11,144.04 R8.2
Net-(U1-~{OC2}): length 30.4
  Top w0.2: v1(312.44,129.61) 312.29,129.46 312.29,124.91 v1(311.79,124.41)
  Bottom w0.2: v1(312.44,129.61) 312.44,136.46 311.29,137.61 307.79,137.61 306.13,139.27 306.13,142.52 306.04,142.61 R9.2 ; v1(311.79,124.41) U6.14
Net-(U6-DP0PUR): length 3.5
  Bottom w0.2: R3.2 294.99,123.86 295.54,124.41 U6.27
Net-(U6-XTAL1/CLK48): length 3.7
  Bottom w0.2: U6.30 296.31,126.81 X1.3
Net-(X1-EN): length 4
  Bottom w0.2: X1.1 292.49,130.81 293.21,131.54 R1.2 R2.1

## Copper pours and planes (outline as drawn; the poured copper is in the pictures)
GND on Top, Bottom: -0.71,153.11 371.79,153.11 371.79,-1.89 -0.71,-1.89

## Text on the board
User.Comments: Copper Layer Count: | Board overall dimensions: | Min track/spacing: | Copper Finish: | Castellated pads: | Edge card connectors: | 2 | 371.4750 mm x 152.4000 mm | 0.0000 mm / 0.0000 mm | None | No | Board Thickness: | Min hole diameter: | Impedance Control: | Plated Board Edge: | 1.6000 mm | 0.3000 mm | BOARD CHARACTERISTICS
